# KiCad board register-motherboard - Copy.kicad_pcb (continued)
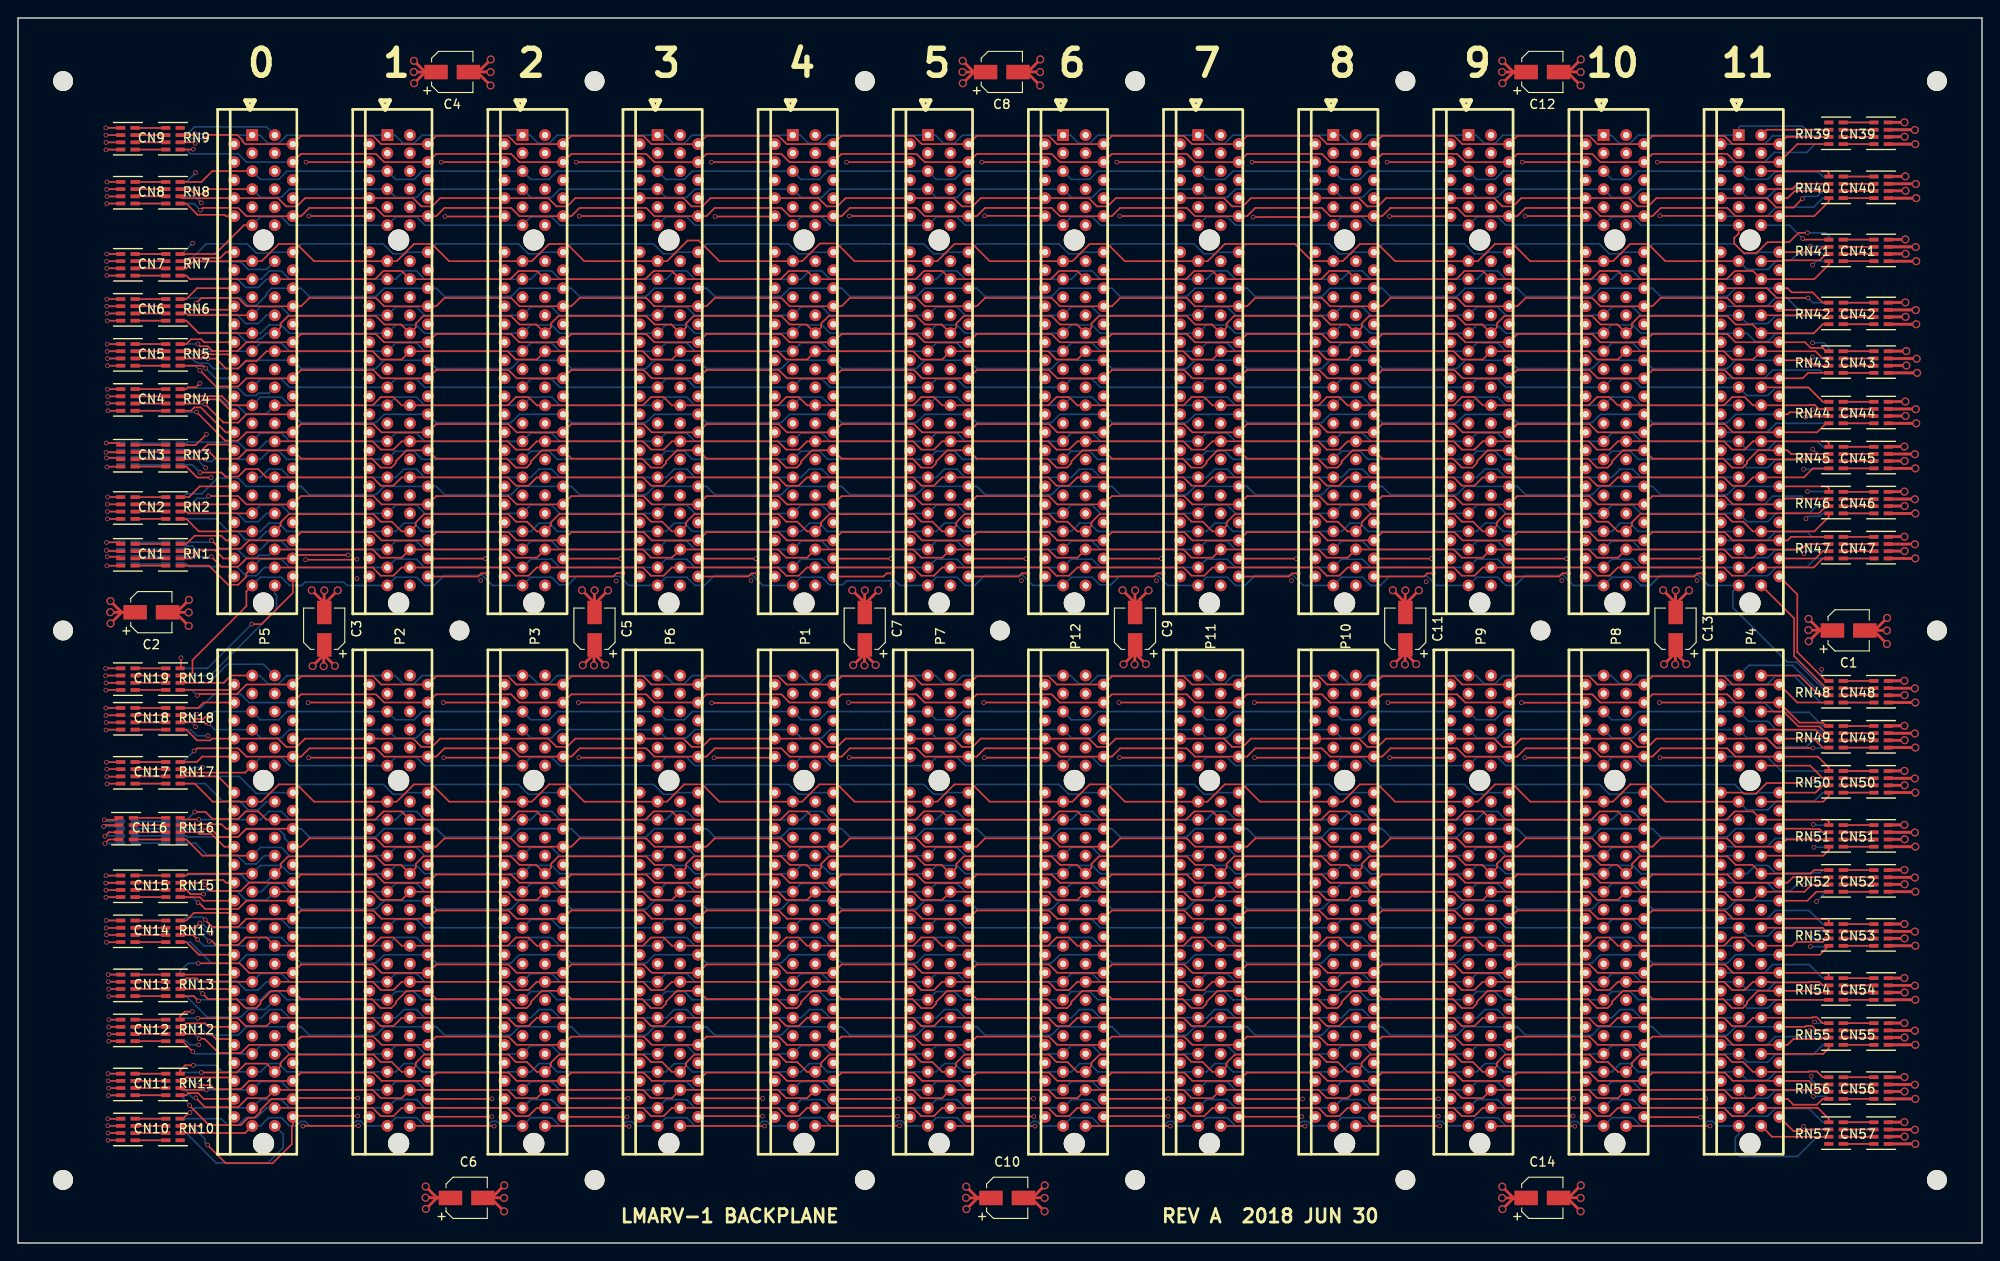
[diagram p0: board, top side]
## Routing (per net, layer and track width the routed paths; a pad name or vN(x,y) marks a point on that pad's centre or on a via; arc(x,y) is an arc through that point) (continued)
VCC: length 171.1
  Top w0.305: 12.04,70.02 C2.1 11.97,70.02 ; 200.47,68.02 201.5,68.02 200.54,68.02 ; 45.47,130.02 46.5,130.02 45.54,130.02 ; 106.47,130.02 107.5,130.02 106.54,130.02 ; 166.47,130.02 167.5,130.02 166.54,130.02 ; 166.47,5.02 167.5,5.02 166.54,5.02 ; 106.97,5.02 108,5.02 107.04,5.02 ; 47.04,5.02 48,5.02 46.97,5.02 ; 33.98,65.47 33.98,66.5 33.98,65.54 ; 63.98,65.47 63.98,66.5 63.98,65.54 ; 93.98,65.54 93.98,66.5 93.98,65.47 ; 123.98,65.54 123.98,66.5 123.98,65.47 ; 153.98,65.54 153.98,66.5 153.98,65.47 ; 183.98,65.54 183.98,66.5 183.98,65.47 ; 107.3,130 104.84,130 v2(104.83,130.01) ; 107.3,130 106.1,130 v2(104.85,131.25) ; 107.3,130 106.11,130 v2(104.87,128.76) ; 106.37,130.02 107.4,130.02 106.44,130.02 ; 166.34,130.02 167.3,130.02 166.27,130.02 ; 167.2,130 166,130 v2(164.75,131.25) ; 167.2,130 166.01,130 v2(164.77,128.76) ; 167.2,130 164.74,130 v2(164.73,130.01) ; 167.2,5 166,5 v2(164.75,6.25) ; 167.2,5 164.74,5 v2(164.73,5.01) ; 167.2,5 166.01,5 v2(164.77,3.76) ; 166.34,5.02 167.3,5.02 166.27,5.02 ; 106.84,5.02 107.8,5.02 106.77,5.02 ; v2(105.25,6.25) 106.5,5 107.7,5 ; v2(105.27,3.76) 106.51,5 107.7,5 ; 107.7,5 105.24,5 v2(105.23,5.01) ; v2(45.23,5.03) 45.24,5.02 47.7,5.02 ; 47.7,5.02 46.51,5.02 v2(45.27,3.78) ; 47.7,5.02 46.5,5.02 v2(45.25,6.27) ; 46.77,5.04 47.8,5.04 46.84,5.04 ; 11.77,70.04 12.8,70.04 11.84,70.04 ; v2(10.25,71.27) 11.5,70.02 12.7,70.02 ; 12.7,70.02 11.51,70.02 v2(10.27,68.78) ; 12.7,70.02 10.24,70.02 v2(10.23,70.03) ; 201.2,68.04 200.01,68.04 v2(198.77,66.8) ; 201.2,68.04 200,68.04 v2(198.75,69.29) ; 201.2,68.04 198.74,68.04 v2(198.73,68.05) ; 200.34,68.06 201.3,68.06 200.27,68.06 ; 183.96,66.7 183.96,64.24 v2(183.95,64.23) ; 183.96,66.7 183.96,65.51 v2(185.2,64.27) ; 183.96,66.7 183.96,65.5 v2(182.71,64.25) ; 183.94,65.84 183.94,66.8 183.94,65.77 ; v2(155.2,64.27) 153.96,65.51 153.96,66.7 ; 153.96,66.7 153.96,65.5 v2(152.71,64.25) ; 153.96,66.7 153.96,64.24 v2(153.95,64.23) ; 153.94,65.77 153.94,66.8 153.94,65.84 ; v2(125.2,64.27) 123.96,65.51 123.96,66.7 ; 123.96,66.7 123.96,65.5 v2(122.71,64.25) ; 123.96,66.7 123.96,64.24 v2(123.95,64.23) ; 123.94,65.77 123.94,66.8 123.94,65.84 ; v2(95.2,64.17) 93.96,65.41 93.96,66.6 ; v2(93.95,64.13) 93.96,64.14 93.96,66.6 ; v2(92.71,64.15) 93.96,65.4 93.96,66.6 ; 93.94,65.74 93.94,66.7 93.94,65.67 ; v2(65.18,64.17) 63.94,65.41 63.94,66.6 ; v2(62.69,64.15) 63.94,65.4 63.94,66.6 ; 63.94,66.6 63.94,64.14 v2(63.93,64.13) ; 63.92,65.74 63.92,66.7 63.92,65.67 ; v2(35.18,64.07) 33.94,65.31 33.94,66.5 ; 33.94,66.5 33.94,65.3 v2(32.69,64.05) ; 33.94,66.5 33.94,64.04 v2(33.93,64.03) ; 33.92,65.64 33.92,66.6 33.92,65.57 ; v2(43.97,128.76) 45.21,130 C4.1 ; v2(43.95,131.25) 45.2,130 C4.1 ; C4.1 43.94,130 v2(43.93,130.01)
/BOOT_CLK: length 193.3
  Top w0.178: P5.194 39.36,15 40.27,14.08 41.66,14.08 42.58,15 P2.194 54.36,15 55.27,14.08 56.66,14.08 57.58,15 P3.194 69.36,15 70.27,14.08 71.66,14.08 72.58,15 P6.194 84.36,15 85.27,14.08 86.66,14.08 87.58,15 P1.194 99.36,15 100.27,14.08 101.66,14.08 102.58,15 P7.194 114.36,15 115.27,14.08 116.66,14.08 117.58,15 P12.194 129.36,15 130.27,14.08 131.66,14.08 132.58,15 P11.194 144.36,15 145.27,14.08 146.66,14.08 147.58,15 P10.194 159.36,15 160.27,14.08 161.66,14.08 162.58,15 P9.194 174.36,15 175.27,14.08 176.66,14.08 177.58,15 P8.194 189.36,15 190.27,14.08 191.66,14.08 192.58,15 P4.194 199.78,15 201,13.78 RN57.5
  Bottom w0.178: P5.194 27.58,15 26.5,13.92 25.27,13.92 24.44,13.08 23.27,13.08 22.55,13.8 RN29.5
/f[0]: length 193.3
  Top w0.178: P4.188 200.38,21 201,21.62 RN55.8
  In2.Cu w0.178: P4.188 192.58,20.08 190.56,20.08 189.64,21 P8.188 177.58,20.08 175.56,20.08 174.64,21 P9.188 162.58,20.08 160.56,20.08 159.64,21 P10.188 147.58,20.08 145.56,20.08 144.64,21 P11.188 132.58,20.08 130.56,20.08 129.64,21 P12.188 117.58,20.08 115.56,20.08 114.64,21 P7.188 102.58,20.08 100.56,20.08 99.64,21 P1.188 87.58,20.08 85.56,20.08 84.64,21 P6.188 72.58,20.08 70.56,20.08 69.64,21 P3.188 57.58,20.08 55.56,20.08 54.64,21 P2.188 42.58,20.08 40.56,20.08 39.64,21 P5.188 27.58,20.08 25.27,20.08 24.33,21.03 21.02,21.03 v1(20.06,22)
  Bottom w0.178: RN31.8 18.68,22.4 19.08,22 v1(20.06,22)
/f[1]: length 203.9
  Top w0.178: v1(20.34,18.93) 24.29,18.93 25.27,19.92 27.58,19.92 P5.190 29.15,19.65 29.15,20.01 30.06,20.92 39.44,20.92 40.27,20.08 41.5,20.08 42.58,19 P2.190 44.15,19.65 44.15,20.01 45.06,20.92 54.44,20.92 55.27,20.08 56.5,20.08 57.58,19 P3.190 59.15,19.65 59.15,20.01 60.06,20.92 69.44,20.92 70.27,20.08 71.5,20.08 72.58,19 P6.190 74.15,19.65 74.15,20.01 75.06,20.92 84.44,20.92 85.27,20.08 86.5,20.08 87.58,19 P1.190 89.15,19.65 89.15,20.01 90.06,20.92 99.44,20.92 100.27,20.08 101.5,20.08 102.58,19 P7.190 104.15,19.65 104.15,20.01 105.06,20.92 114.44,20.92 115.27,20.08 116.5,20.08 117.58,19 P12.190 119.15,19.65 119.15,20.01 120.06,20.92 129.44,20.92 130.27,20.08 131.5,20.08 132.58,19 P11.190 134.15,19.65 134.15,20.01 135.06,20.92 144.44,20.92 145.27,20.08 146.5,20.08 147.58,19 P10.190 149.15,19.65 149.15,20.01 150.06,20.92 159.44,20.92 160.27,20.08 161.5,20.08 162.58,19 P9.190 164.15,19.65 164.15,20.01 165.06,20.92 174.44,20.92 175.27,20.08 176.5,20.08 177.58,19 P8.190 179.15,19.65 179.15,20.01 180.06,20.92 189.44,20.92 190.27,20.08 191.5,20.08 192.58,19 P4.190 198.75,19 198.79,19.04 199.68,19.04 200.32,18.4 RN56.5
  Bottom w0.178: RN30.5 18.13,18.93 v1(20.34,18.93)
/f[2]: length 192.3
  Top w0.178: RN56.6 199.19,17.6 198.79,18 P4.191 190.36,18 189.44,18.92 181.42,18.92 P8.191 175.36,18 174.44,18.92 166.42,18.92 P9.191 160.36,18 159.44,18.92 151.42,18.92 P10.191 145.36,18 144.44,18.92 136.42,18.92 P11.191 130.36,18 129.44,18.92 121.42,18.92 P12.191 115.36,18 114.44,18.92 106.42,18.92 P7.191 100.36,18 99.44,18.92 91.42,18.92 P1.191 85.36,18 84.44,18.92 76.42,18.92 P6.191 70.36,18 69.44,18.92 61.42,18.92 P3.191 55.36,18 54.44,18.92 46.42,18.92 P2.191 40.36,18 39.44,18.92 31.42,18.92 P5.191 25.64,18 24.73,17.08 21.81,17.08 21.37,17.52 v1(19.95,17.52)
  Bottom w0.178: v1(19.95,17.52) 19.48,18 RN30.6
/f[3]: length 193.1
  Top w0.178: RN56.7 200.8,17 P4.192 192.58,16.08 190.27,16.08 189.36,17 P8.192 177.58,16.08 175.27,16.08 174.36,17 P9.192 162.58,16.08 160.27,16.08 159.36,17 P10.192 147.58,16.08 145.27,16.08 144.36,17 P11.192 132.58,16.08 130.27,16.08 129.36,17 P12.192 117.58,16.08 115.27,16.08 114.36,17 P7.192 102.58,16.08 100.27,16.08 99.36,17 P1.192 87.58,16.08 85.27,16.08 84.36,17 P6.192 72.58,16.08 70.27,16.08 69.36,17 P3.192 57.58,16.08 55.27,16.08 54.36,17 P2.192 42.58,16.08 40.27,16.08 39.36,17 P5.192 27.58,16.08 25.44,16.08 24.44,15.08 20.75,15.08 v1(19.73,16.11)
  Bottom w0.178: v1(19.73,16.11) 19.39,16.11 18.3,17.2 RN30.7
/nc0: length 193
  Top w0.178: RN45.7 200.8,87 P4.133
  In2.Cu w0.178: v1(20.82,86.07) 21.72,86.97 24.39,86.97 25.27,86.08 27.58,86.08 P5.133 39.64,87 40.56,86.08 42.58,86.08 P2.133 54.64,87 55.56,86.08 57.58,86.08 P3.133 69.64,87 70.56,86.08 72.58,86.08 P6.133 84.64,87 85.56,86.08 87.58,86.08 P1.133 99.64,87 100.56,86.08 102.58,86.08 P7.133 114.64,87 115.56,86.08 117.58,86.08 P12.133 129.64,87 130.56,86.08 132.58,86.08 P11.133 144.64,87 145.56,86.08 147.58,86.08 P10.133 159.64,87 160.56,86.08 162.58,86.08 P9.133 174.64,87 175.56,86.08 177.58,86.08 P8.133 189.64,87 190.56,86.08 191.66,86.08 192.58,87 P4.133
  Bottom w0.178: v1(20.82,86.07) 19.69,87.2 RN22.7
/nc1: length 193
  Top w0.178: RN45.8 199.23,86 198.23,85 P4.135 192.58,85 191.66,84.08 190.27,84.08 189.36,85 P8.135 177.58,85 176.66,84.08 175.27,84.08 174.36,85 P9.135 162.58,85 161.66,84.08 160.27,84.08 159.36,85 P10.135 147.58,85 146.66,84.08 145.27,84.08 144.36,85 P11.135 132.58,85 131.66,84.08 130.27,84.08 129.36,85 P12.135 117.58,85 116.66,84.08 115.27,84.08 114.36,85 P7.135 102.58,85 101.66,84.08 100.27,84.08 99.36,85 P1.135 87.58,85 86.66,84.08 85.27,84.08 84.36,85 P6.135 72.58,85 71.66,84.08 70.27,84.08 69.36,85 P3.135 57.58,85 56.66,84.08 55.27,84.08 54.36,85 P2.135 42.58,85 41.66,84.08 40.27,84.08 39.36,85 P5.135 27.58,85 26.66,85.92 25.27,85.92 24.44,85.08 23.04,85.08 22.58,85.54 v1(20.21,85.54)
  Bottom w0.178: RN22.8 19.35,86.4 v1(20.21,85.54)
/nc2: length 193.1
  Top w0.178: RN46.5 201,83.78 200.78,84 P4.136
  Bottom w0.178: P4.136 190.64,84 189.73,83.08 182.34,83.08 181.42,84 P8.136 175.64,84 174.73,83.08 167.34,83.08 166.42,84 P9.136 160.64,84 159.73,83.08 152.34,83.08 151.42,84 P10.136 145.64,84 144.73,83.08 137.34,83.08 136.42,84 P11.136 130.64,84 129.73,83.08 122.34,83.08 121.42,84 P12.136 115.64,84 114.73,83.08 107.34,83.08 106.42,84 P7.136 100.64,84 99.73,83.08 92.34,83.08 91.42,84 P1.136 85.64,84 84.73,83.08 77.34,83.08 76.42,84 P6.136 70.64,84 69.73,83.08 62.34,83.08 61.42,84 P3.136 55.64,84 54.73,83.08 47.34,83.08 46.42,84 P2.136 40.64,84 39.73,83.08 32.34,83.08 31.42,84 P5.136 25.36,84 24.44,84.92 22.14,84.92 20.4,83.18 18.68,83.18 18.3,82.8 RN21.5
/nc3: length 192.4
  Top w0.178: RN46.6 200.95,82.65 196.15,82.65 P4.138 190.36,82 189.44,82.92 181.42,82.92 P8.138 175.36,82 174.44,82.92 166.42,82.92 P9.138 160.36,82 159.44,82.92 151.42,82.92 P10.138 145.36,82 144.44,82.92 136.42,82.92 P11.138 130.36,82 129.44,82.92 121.42,82.92 P12.138 115.36,82 114.44,82.92 106.42,82.92 P7.138 100.36,82 99.44,82.92 91.42,82.92 P1.138 85.36,82 84.44,82.92 76.42,82.92 P6.138 70.36,82 69.44,82.92 61.42,82.92 P3.138 55.36,82 54.44,82.92 46.42,82.92 P2.138 40.36,82 39.44,82.92 31.42,82.92 P5.138 25.36,82 24.43,82.93 v1(21.15,82.93)
  Bottom w0.178: RN21.6 19.18,82 19.86,82.68 20.9,82.68 v1(21.15,82.93)
/nc4: length 192.5
  Top w0.178: RN46.7 200.7,81.8 199.9,81 P4.139
  In2.Cu w0.178: P4.139 192.58,80.08 190.56,80.08 189.64,81 P8.139 177.58,80.08 175.56,80.08 174.64,81 P9.139 162.58,80.08 160.56,80.08 159.64,81 P10.139 147.58,80.08 145.56,80.08 144.64,81 P11.139 132.58,80.08 130.56,80.08 129.64,81 P12.139 117.58,80.08 115.56,80.08 114.64,81 P7.139 102.58,80.08 100.56,80.08 99.64,81 P1.139 87.58,80.08 85.56,80.08 84.64,81 P6.139 72.58,80.08 70.56,80.08 69.64,81 P3.139 57.58,80.08 55.56,80.08 54.64,81 P2.139 42.58,80.08 40.56,80.08 39.64,81 P5.139
  Bottom w0.178: P5.139 27.58,81 26.66,80.08 25.27,80.08 24.27,81.08 18.79,81.08 18.68,81.2 RN21.7
/nc5: length 205.2
  Top w0.178: RN46.8 201,80.62 199.38,79 P4.141 192.58,79 191.5,80.08 190.27,80.08 189.44,80.92 180.06,80.92 179.15,80.01 179.15,79.65 P8.141 177.58,79 176.5,80.08 175.27,80.08 174.44,80.92 165.06,80.92 164.15,80.01 164.15,79.65 P9.141 162.58,79 161.5,80.08 160.27,80.08 159.44,80.92 150.06,80.92 149.15,80.01 149.15,79.65 P10.141 147.58,79 146.5,80.08 145.27,80.08 144.44,80.92 135.06,80.92 134.15,80.01 134.15,79.65 P11.141 132.58,79 131.5,80.08 130.27,80.08 129.44,80.92 120.06,80.92 119.15,80.01 119.15,79.65 P12.141 117.58,79 116.5,80.08 115.27,80.08 114.44,80.92 105.06,80.92 104.15,80.01 104.15,79.65 P7.141 102.58,79 101.5,80.08 100.27,80.08 99.44,80.92 90.06,80.92 89.15,80.01 89.15,79.65 P1.141 87.58,79 86.5,80.08 85.27,80.08 84.44,80.92 75.06,80.92 74.15,80.01 74.15,79.65 P6.141 72.58,79 71.5,80.08 70.27,80.08 69.44,80.92 60.06,80.92 59.15,80.01 59.15,79.65 P3.141 57.58,79 56.5,80.08 55.27,80.08 54.44,80.92 45.06,80.92 44.15,80.01 44.15,79.65 P2.141 42.58,79 41.5,80.08 40.27,80.08 39.44,80.92 30.06,80.92 29.15,80.01 29.15,79.65 P5.141
  Bottom w0.178: P5.141 27.58,79 26.66,78.08 25.27,78.08 24.27,79.08 23.28,79.08 21.96,80.4 RN21.8
/nc6: length 192.4
  Top w0.178: RN47.5 196.82,78.4 196.42,78 P4.142 190.36,78 189.44,78.92 181.42,78.92 P8.142 175.36,78 174.44,78.92 166.42,78.92 P9.142 160.36,78 159.44,78.92 151.42,78.92 P10.142 145.36,78 144.44,78.92 136.42,78.92 P11.142 130.36,78 129.44,78.92 121.42,78.92 P12.142 115.36,78 114.44,78.92 106.42,78.92 P7.142 100.36,78 99.44,78.92 91.42,78.92 P1.142 85.36,78 84.44,78.92 76.42,78.92 P6.142 70.36,78 69.44,78.92 61.42,78.92 P3.142 55.36,78 54.44,78.92 46.42,78.92 P2.142 40.36,78 39.44,78.92 31.42,78.92 P5.142 25.64,78 24.73,77.08 22.41,77.08 v1(21.49,78)
  Bottom w0.178: RN20.5 21.29,77.8 v1(21.49,78)
/nc7: length 192.2
  Top w0.178: v1(20.9,17) 18.2,17 RN11.6
  Bottom w0.178: RN75.6 200.32,16.8 200.21,16.92 195.06,16.92 194.23,16.08 191.92,16.08 P4.94 180.14,17 179.23,17.92 176.92,17.92 P8.94 165.14,17 164.23,17.92 161.92,17.92 P9.94 150.14,17 149.23,17.92 146.92,17.92 P10.94 135.14,17 134.23,17.92 131.92,17.92 P11.94 120.14,17 119.23,17.92 116.92,17.92 P12.94 105.14,17 104.23,17.92 101.92,17.92 P7.94 90.14,17 89.23,17.92 86.92,17.92 P1.94 75.14,17 74.23,17.92 71.92,17.92 P6.94 60.14,17 59.23,17.92 56.92,17.92 P3.94 45.14,17 44.23,17.92 41.92,17.92 P2.94 30.14,17 29.23,17.92 26.92,17.92 P5.94 v1(20.9,17)
/nc8: length 192.5
  Top w0.178: P5.95 20.62,16 19.97,16.64 18.92,16.64 18.68,16.4 RN11.5
  In2.Cu w0.178: P5.95 28.86,16 29.77,16.92 38.08,16.92 P2.95 43.86,16 44.77,16.92 53.08,16.92 P3.95 58.86,16 59.77,16.92 68.08,16.92 P6.95 73.86,16 74.77,16.92 83.08,16.92 P1.95 88.86,16 89.77,16.92 98.08,16.92 P7.95 103.86,16 104.77,16.92 113.08,16.92 P12.95 118.86,16 119.77,16.92 128.08,16.92 P11.95 133.86,16 134.77,16.92 143.08,16.92 P10.95 148.86,16 149.77,16.92 158.08,16.92 P9.95 163.86,16 164.77,16.92 173.08,16.92 P8.95 178.86,16 179.77,16.92 188.08,16.92 P4.95 194.14,16 195.06,16.92 198.43,16.92 199.07,16.28 v1(199.28,16.28)
  Bottom w0.178: v1(199.28,16.28) 200.72,16.28 RN75.5
/nc9: length 193.2
  Top w0.178: v1(19.08,14.47) 18.97,14.47 18.3,13.8 RN10.8
  Bottom w0.178: RN76.8 200.32,13.4 198.81,14.92 195.06,14.92 194.23,14.08 191.92,14.08 P4.96 180.14,15 179.23,15.92 176.92,15.92 P8.96 165.14,15 164.23,15.92 161.92,15.92 P9.96 150.14,15 149.23,15.92 146.92,15.92 P10.96 135.14,15 134.23,15.92 131.92,15.92 P11.96 120.14,15 119.23,15.92 116.92,15.92 P12.96 105.14,15 104.23,15.92 101.92,15.92 P7.96 90.14,15 89.23,15.92 86.92,15.92 P1.96 75.14,15 74.23,15.92 71.92,15.92 P6.96 60.14,15 59.23,15.92 56.92,15.92 P3.96 45.14,15 44.23,15.92 41.92,15.92 P2.96 30.14,15 29.23,15.92 26.92,15.92 P5.96 19.61,15 v1(19.08,14.47)
/nc10: length 192.3
  Top w0.178: v1(20.3,13.01) 18.01,13.01 RN10.7
  In2.Cu w0.178: v1(20.3,13.01) 21.29,14 P5.97 28.86,14 29.77,14.92 38.08,14.92 P2.97 43.86,14 44.77,14.92 53.08,14.92 P3.97 58.86,14 59.77,14.92 68.08,14.92 P6.97 73.86,14 74.77,14.92 83.08,14.92 P1.97 88.86,14 89.77,14.92 98.08,14.92 P7.97 103.86,14 104.77,14.92 113.08,14.92 P12.97 118.86,14 119.77,14.92 128.08,14.92 P11.97 133.86,14 134.77,14.92 143.08,14.92 P10.97 148.86,14 149.77,14.92 158.08,14.92 P9.97 163.86,14 164.77,14.92 173.08,14.92 P8.97 178.86,14 179.77,14.92 188.08,14.92 P4.97 193.86,14 194.91,12.95 v1(198.18,12.95)
  Bottom w0.178: RN76.7 198.53,12.6 v1(198.18,12.95)
/nc11: length 201.3
  Top w0.178: RN10.6 25.2,12.2 P5.98
  Bottom w0.178: P5.98 26.92,13 27.84,13.92 29.23,13.92 30.14,13 30.87,13 31.37,13.5 31.87,13.5 32.37,13 37,13 37.53,13.53 38.03,13.53 38.56,13 P2.98 41.92,13.92 44.23,13.92 45.14,13 52.08,13 52.58,13.5 52.84,13.5 52.85,13.51 53.11,13.51 53.62,13 P3.98 56.92,13.92 59.23,13.92 60.14,13 67.08,13 67.56,13.48 68.12,13.48 68.6,13 P6.98 71.92,13.92 74.23,13.92 75.14,13 82.11,13 82.62,13.51 83.12,13.51 83.63,13 P1.98 86.92,13.92 89.23,13.92 90.14,13 97.07,13 97.61,13.54 98.11,13.54 98.65,13 P7.98 101.92,13.92 104.23,13.92 105.14,13 112.14,13 112.64,13.5 113.14,13.5 113.64,13 P12.98 116.92,13.92 119.23,13.92 120.14,13 127.16,13 127.66,13.5 128.16,13.5 128.66,13 P11.98 131.92,13.92 134.23,13.92 135.14,13 142.03,13 142.53,13.5 142.75,13.5 142.75,13.5 143.11,13.5 143.61,13 P10.98 146.92,13.92 149.23,13.92 150.14,13 157.05,13 157.56,13.51 158.06,13.51 158.57,13 P9.98 161.92,13.92 164.23,13.92 165.14,13 172.07,13 172.56,13.49 173.06,13.49 173.55,13 P8.98 176.92,13.92 179.23,13.92 180.14,13 187.06,13 187.57,13.51 188.07,13.51 188.58,13 P4.98 191,12.08 190.62,11.7 190.62,10.12 191.13,9.61 197.51,9.61 199.7,11.8 RN76.6
/nc12: length 192.4
  Top w0.178: RN55.6 199.64,23.6 199.14,24.1 198.45,24.1 198.35,24 P4.185
  Bottom w0.178: P4.185 190.64,24 189.73,23.08 182.34,23.08 181.42,24 P8.185 175.64,24 174.73,23.08 167.34,23.08 166.42,24 P9.185 160.64,24 159.73,23.08 152.34,23.08 151.42,24 P10.185 145.64,24 144.73,23.08 137.34,23.08 136.42,24 P11.185 130.64,24 129.73,23.08 122.34,23.08 121.42,24 P12.185 115.64,24 114.73,23.08 107.34,23.08 106.42,24 P7.185 100.64,24 99.73,23.08 92.34,23.08 91.42,24 P1.185 85.64,24 84.73,23.08 77.34,23.08 76.42,24 P6.185 70.64,24 69.73,23.08 62.34,23.08 61.42,24 P3.185 55.64,24 54.73,23.08 47.34,23.08 46.42,24 P2.185 40.64,24 39.73,23.08 32.34,23.08 31.42,24 P5.185 25.36,24 24.44,23.08 21.04,23.08 20.12,24 RN31.6
/rd[0]: length 192.6
  Top w0.178: P5.71 23.08,40 22.78,40.3 20.47,40.3 20.16,40 RN15.7
  In2.Cu w0.178: P5.71 28.86,40 29.77,40.92 37.16,40.92 38.08,40 P2.71 43.86,40 44.77,40.92 52.16,40.92 53.08,40 P3.71 58.86,40 59.77,40.92 67.16,40.92 68.08,40 P6.71 73.86,40 74.77,40.92 82.16,40.92 83.08,40 P1.71 88.86,40 89.77,40.92 97.16,40.92 98.08,40 P7.71 103.86,40 104.77,40.92 112.16,40.92 113.08,40 P12.71 118.86,40 119.77,40.92 127.16,40.92 128.08,40 P11.71 133.86,40 134.77,40.92 142.16,40.92 143.08,40 P10.71 148.86,40 149.77,40.92 157.16,40.92 158.08,40 P9.71 163.86,40 164.77,40.92 172.16,40.92 173.08,40 P8.71 178.86,40 179.77,40.92 187.16,40.92 188.08,40 P4.71
  Bottom w0.178: P4.71 194.14,40 195.06,39.08 196.71,39.08 198.23,40.6 RN71.7
/rd[1]: length 192.3
  Top w0.178: RN15.8 18.68,40.8 18.88,41 P5.70
  Bottom w0.178: P5.70 26.92,41.92 29.23,41.92 30.14,41 P2.70 41.92,41.92 44.23,41.92 45.14,41 P3.70 56.92,41.92 59.23,41.92 60.14,41 P6.70 71.92,41.92 74.23,41.92 75.14,41 P1.70 86.92,41.92 89.23,41.92 90.14,41 P7.70 101.92,41.92 104.23,41.92 105.14,41 P12.70 116.92,41.92 119.23,41.92 120.14,41 P11.70 131.92,41.92 134.23,41.92 135.14,41 P10.70 146.92,41.92 149.23,41.92 150.14,41 P9.70 161.92,41.92 164.23,41.92 165.14,41 P8.70 176.92,41.92 179.23,41.92 180.14,41 P4.70 191.92,41 192.84,41.92 194.23,41.92 195.06,41.08 200.01,41.08 200.32,41.4 RN71.8
/rd[2]: length 193.2
  Top w0.178: P5.68 20.48,43 18.68,44.8 RN16.5
  In2.Cu w0.178: P4.68 191.92,43.92 193.94,43.92 194.77,43.08 197.71,43.08 198.57,43.94 v1(199.35,43.94)
  Bottom w0.178: P5.68 26.92,43.92 29.23,43.92 30.14,43 P2.68 41.92,43.92 44.23,43.92 45.14,43 P3.68 56.92,43.92 59.23,43.92 60.14,43 P6.68 71.92,43.92 74.23,43.92 75.14,43 P1.68 86.92,43.92 89.23,43.92 90.14,43 P7.68 101.92,43.92 104.23,43.92 105.14,43 P12.68 116.92,43.92 119.23,43.92 120.14,43 P11.68 131.92,43.92 134.23,43.92 135.14,43 P10.68 146.92,43.92 149.23,43.92 150.14,43 P9.68 161.92,43.92 164.23,43.92 165.14,43 P8.68 176.92,43.92 179.23,43.92 180.14,43 P4.68 ; v1(199.35,43.94) 200.94,43.94 RN70.5
/rd[3]: length 192.4
  Top w0.178: P5.67 22.9,44 21.49,45.41 20.15,45.41 19.96,45.6 RN16.6
  In2.Cu w0.178: P5.67 28.86,44 29.77,44.92 38.08,44.92 P2.67 43.86,44 44.77,44.92 53.08,44.92 P3.67 58.86,44 59.77,44.92 68.08,44.92 P6.67 73.86,44 74.77,44.92 83.08,44.92 P1.67 88.86,44 89.77,44.92 98.08,44.92 P7.67 103.86,44 104.77,44.92 113.08,44.92 P12.67 118.86,44 119.77,44.92 128.08,44.92 P11.67 133.86,44 134.77,44.92 143.08,44.92 P10.67 148.86,44 149.77,44.92 158.08,44.92 P9.67 163.86,44 164.77,44.92 173.08,44.92 P8.67 178.86,44 179.77,44.92 188.08,44.92 P4.67
  Bottom w0.178: RN70.6 200.32,44.8 200.21,44.92 195.06,44.92 194.14,44 P4.67
/rd[4]: length 192.2
  Top w0.178: P5.65 23.08,46 22.59,46.49 20.13,46.49 20.04,46.4 RN16.7
  In2.Cu w0.178: P5.65 29.14,46 30.06,46.92 37.16,46.92 38.08,46 P2.65 44.14,46 45.06,46.92 52.16,46.92 53.08,46 P3.65 59.14,46 60.06,46.92 67.16,46.92 68.08,46 P6.65 74.14,46 75.06,46.92 82.16,46.92 83.08,46 P1.65 89.14,46 90.06,46.92 97.16,46.92 98.08,46 P7.65 104.14,46 105.06,46.92 112.16,46.92 113.08,46 P12.65 119.14,46 120.06,46.92 127.16,46.92 128.08,46 P11.65 134.14,46 135.06,46.92 142.16,46.92 143.08,46 P10.65 149.14,46 150.06,46.92 157.16,46.92 158.08,46 P9.65 164.14,46 165.06,46.92 172.16,46.92 173.08,46 P8.65 179.14,46 180.06,46.92 187.16,46.92 188.08,46 P4.65 194.14,46 195.07,45.07 198.79,45.07 v1(199.16,45.44)
  Bottom w0.178: v1(199.16,45.44) 199.32,45.6 RN70.7
/rd[5]: length 192.4
  Top w0.178: v1(20.08,47.02) 18.18,47.02 RN16.8
  In2.Cu w0.178: v1(199.27,46.48) 198.83,46.92 195.23,46.92 194.23,47.92 192.42,47.92 192.15,47.65 191.65,47.65 P4.64
  Bottom w0.178: P4.64 180.14,47 179.23,47.92 177.84,47.92 176.92,47 P8.64 165.14,47 164.23,47.92 162.84,47.92 161.92,47 P9.64 150.14,47 149.23,47.92 147.84,47.92 146.92,47 P10.64 135.14,47 134.23,47.92 132.84,47.92 131.92,47 P11.64 120.14,47 119.23,47.92 117.84,47.92 116.92,47 P12.64 105.14,47 104.23,47.92 102.84,47.92 101.92,47 P7.64 90.14,47 89.23,47.92 87.84,47.92 86.92,47 P1.64 75.14,47 74.23,47.92 72.84,47.92 71.92,47 P6.64 60.14,47 59.23,47.92 57.84,47.92 56.92,47 P3.64 45.14,47 44.23,47.92 42.84,47.92 41.92,47 P2.64 30.14,47 29.23,47.92 27.84,47.92 26.92,47 P5.64 20.1,47 v1(20.08,47.02) ; RN70.8 199.35,46.4 v1(199.27,46.48)
/rd[6]: length 202.5
  Top w0.178: P4.62 182.86,49 180.94,50.92 178.95,50.92 177.03,49 P8.62 167.86,49 165.94,50.92 163.95,50.92 162.03,49 P9.62 152.86,49 150.94,50.92 148.95,50.92 147.03,49 P10.62 137.86,49 135.94,50.92 133.95,50.92 132.03,49 P11.62 122.86,49 120.94,50.92 118.95,50.92 117.03,49 P12.62 107.86,49 105.94,50.92 103.95,50.92 102.03,49 P7.62 92.86,49 90.94,50.92 88.95,50.92 87.03,49 P1.62 77.86,49 75.94,50.92 73.95,50.92 72.03,49 P6.62 62.86,49 60.94,50.92 58.95,50.92 57.03,49 P3.62 47.86,49 45.94,50.92 43.95,50.92 42.03,49 P2.62 32.86,49 30.94,50.92 28.95,50.92 27.03,49 P5.62 21.61,49 19.61,51 RN17.5
  Bottom w0.178: P4.62 191.92,48.08 194.23,48.08 195.23,49.08 199.41,49.08 200.32,50 RN69.5
/rd[7]: length 193.6
  Top w0.178: RN17.6 22.2,51.8 P5.61 ; P4.61 191.47,50 191.56,49.91 192.94,49.91 194.09,51.06 v1(197.91,51.06)
  In2.Cu w0.178: P5.61 26.36,50 26.45,49.91 27.94,49.91 28.95,50.92 37.16,50.92 38.08,50 P2.61 41.36,50 41.45,49.91 42.94,49.91 43.95,50.92 52.16,50.92 53.08,50 P3.61 56.36,50 56.45,49.91 57.94,49.91 58.95,50.92 67.16,50.92 68.08,50 P6.61 71.36,50 71.45,49.91 72.94,49.91 73.95,50.92 82.16,50.92 83.08,50 P1.61 86.36,50 86.45,49.91 87.94,49.91 88.95,50.92 97.16,50.92 98.08,50 P7.61 101.36,50 101.45,49.91 102.94,49.91 103.95,50.92 112.16,50.92 113.08,50 P12.61 116.36,50 116.45,49.91 117.94,49.91 118.95,50.92 127.16,50.92 128.08,50 P11.61 131.36,50 131.45,49.91 132.94,49.91 133.95,50.92 142.16,50.92 143.08,50 P10.61 146.36,50 146.45,49.91 147.94,49.91 148.95,50.92 157.16,50.92 158.08,50 P9.61 161.36,50 161.45,49.91 162.94,49.91 163.95,50.92 172.16,50.92 173.08,50 P8.61 176.36,50 176.45,49.91 177.94,49.91 178.95,50.92 187.16,50.92 188.08,50 P4.61
  Bottom w0.178: v1(197.91,51.06) 200.74,51.06 RN69.6
/rd[8]: length 196
  Top w0.178: RN17.7 18.3,52.6 18.68,52.22 25.22,52.22 P5.60
  In2.Cu w0.178: P4.60 190.35,52.35 190.35,50.97 191.45,49.87 193.01,49.87 194.72,51.58 v1(199.2,51.58)
  Bottom w0.178: P5.60 26.92,53.92 29.23,53.92 30.14,53 P2.60 41.92,53.92 44.23,53.92 45.14,53 P3.60 56.92,53.92 59.23,53.92 60.14,53 P6.60 71.92,53.92 74.23,53.92 75.14,53 P1.60 86.92,53.92 89.23,53.92 90.14,53 P7.60 101.92,53.92 104.23,53.92 105.14,53 P12.60 116.92,53.92 119.23,53.92 120.14,53 P11.60 131.92,53.92 134.23,53.92 135.14,53 P10.60 146.92,53.92 149.23,53.92 150.14,53 P9.60 161.92,53.92 164.23,53.92 165.14,53 P8.60 176.92,53.92 179.23,53.92 180.14,53 P4.60 ; v1(199.2,51.58) 199.22,51.6 RN69.7
/rd[9]: length 193.4
  Top w0.178: P3.59 53.88,53.88 v1(47.26,53.88) ; v1(62.26,53.88) 68.88,53.88 P6.59 ; P1.59 83.88,53.88 v1(77.26,53.88) ; P7.59 98.88,53.88 v1(92.26,53.88) ; v1(107.26,53.88) 113.88,53.88 P12.59 ; P11.59 128.88,53.88 v1(122.26,53.88) ; v1(137.26,53.88) 143.88,53.88 P10.59 ; v1(152.26,53.88) 158.88,53.88 P9.59 ; v1(167.26,53.88) 173.88,53.88 P8.59 ; v1(182.26,53.88) 188.88,53.88 P4.59 ; P5.59 20.45,54 19.85,53.4 RN17.8 ; P2.59 38.88,53.88 v1(32.26,53.88)
  Vcc3.Cu w0.178: P2.59 44.14,54 45.06,54.92 46.22,54.92 v1(47.26,53.88) ; P5.59 28.86,54 29.77,54.92 31.22,54.92 v1(32.26,53.88) ; P6.59 74.14,54 75.06,54.92 76.22,54.92 v1(77.26,53.88) ; P3.59 58.86,54 59.77,54.92 61.22,54.92 v1(62.26,53.88) ; P7.59 104.14,54 105.06,54.92 106.22,54.92 v1(107.26,53.88) ; P1.59 88.86,54 89.77,54.92 91.22,54.92 v1(92.26,53.88) ; P11.59 134.14,54 135.06,54.92 136.22,54.92 v1(137.26,53.88) ; P12.59 118.86,54 119.77,54.92 121.22,54.92 v1(122.26,53.88) ; P10.59 149.14,54 150.06,54.92 151.22,54.92 v1(152.26,53.88) ; P8.59 179.14,54 180.06,54.92 181.22,54.92 v1(182.26,53.88) ; P9.59 163.86,54 164.77,54.92 166.22,54.92 v1(167.26,53.88)
  Bottom w0.178: P4.59 194.14,54 195.74,52.4 RN69.8
/rd[10]: length 192.4
  Top w0.178: v1(199.25,54.95) 195.19,54.95 194.14,56 P4.57 181.86,56 180.94,55.08 179.77,55.08 178.86,56 P8.57 166.86,56 165.94,55.08 164.77,55.08 163.86,56 P9.57 151.86,56 150.94,55.08 149.77,55.08 148.86,56 P10.57 136.86,56 135.94,55.08 134.77,55.08 133.86,56 P11.57 121.86,56 120.94,55.08 119.77,55.08 118.86,56 P12.57 106.86,56 105.94,55.08 104.77,55.08 103.86,56 P7.57 91.86,56 90.94,55.08 89.77,55.08 88.86,56 P1.57 76.86,56 75.94,55.08 74.77,55.08 73.86,56 P6.57 61.86,56 60.94,55.08 59.77,55.08 58.86,56 P3.57 46.86,56 45.94,55.08 44.77,55.08 43.86,56 P2.57 31.86,56 30.94,55.08 29.77,55.08 28.86,56 P5.57 21.53,56 21.33,55.8 19.88,55.8 18.68,57 RN18.5